# Allegro board RK3588S_Template_LP4XD200P232SD10H2_30X30_2133MHz_H1R6_V11_20220218YWQ.brd
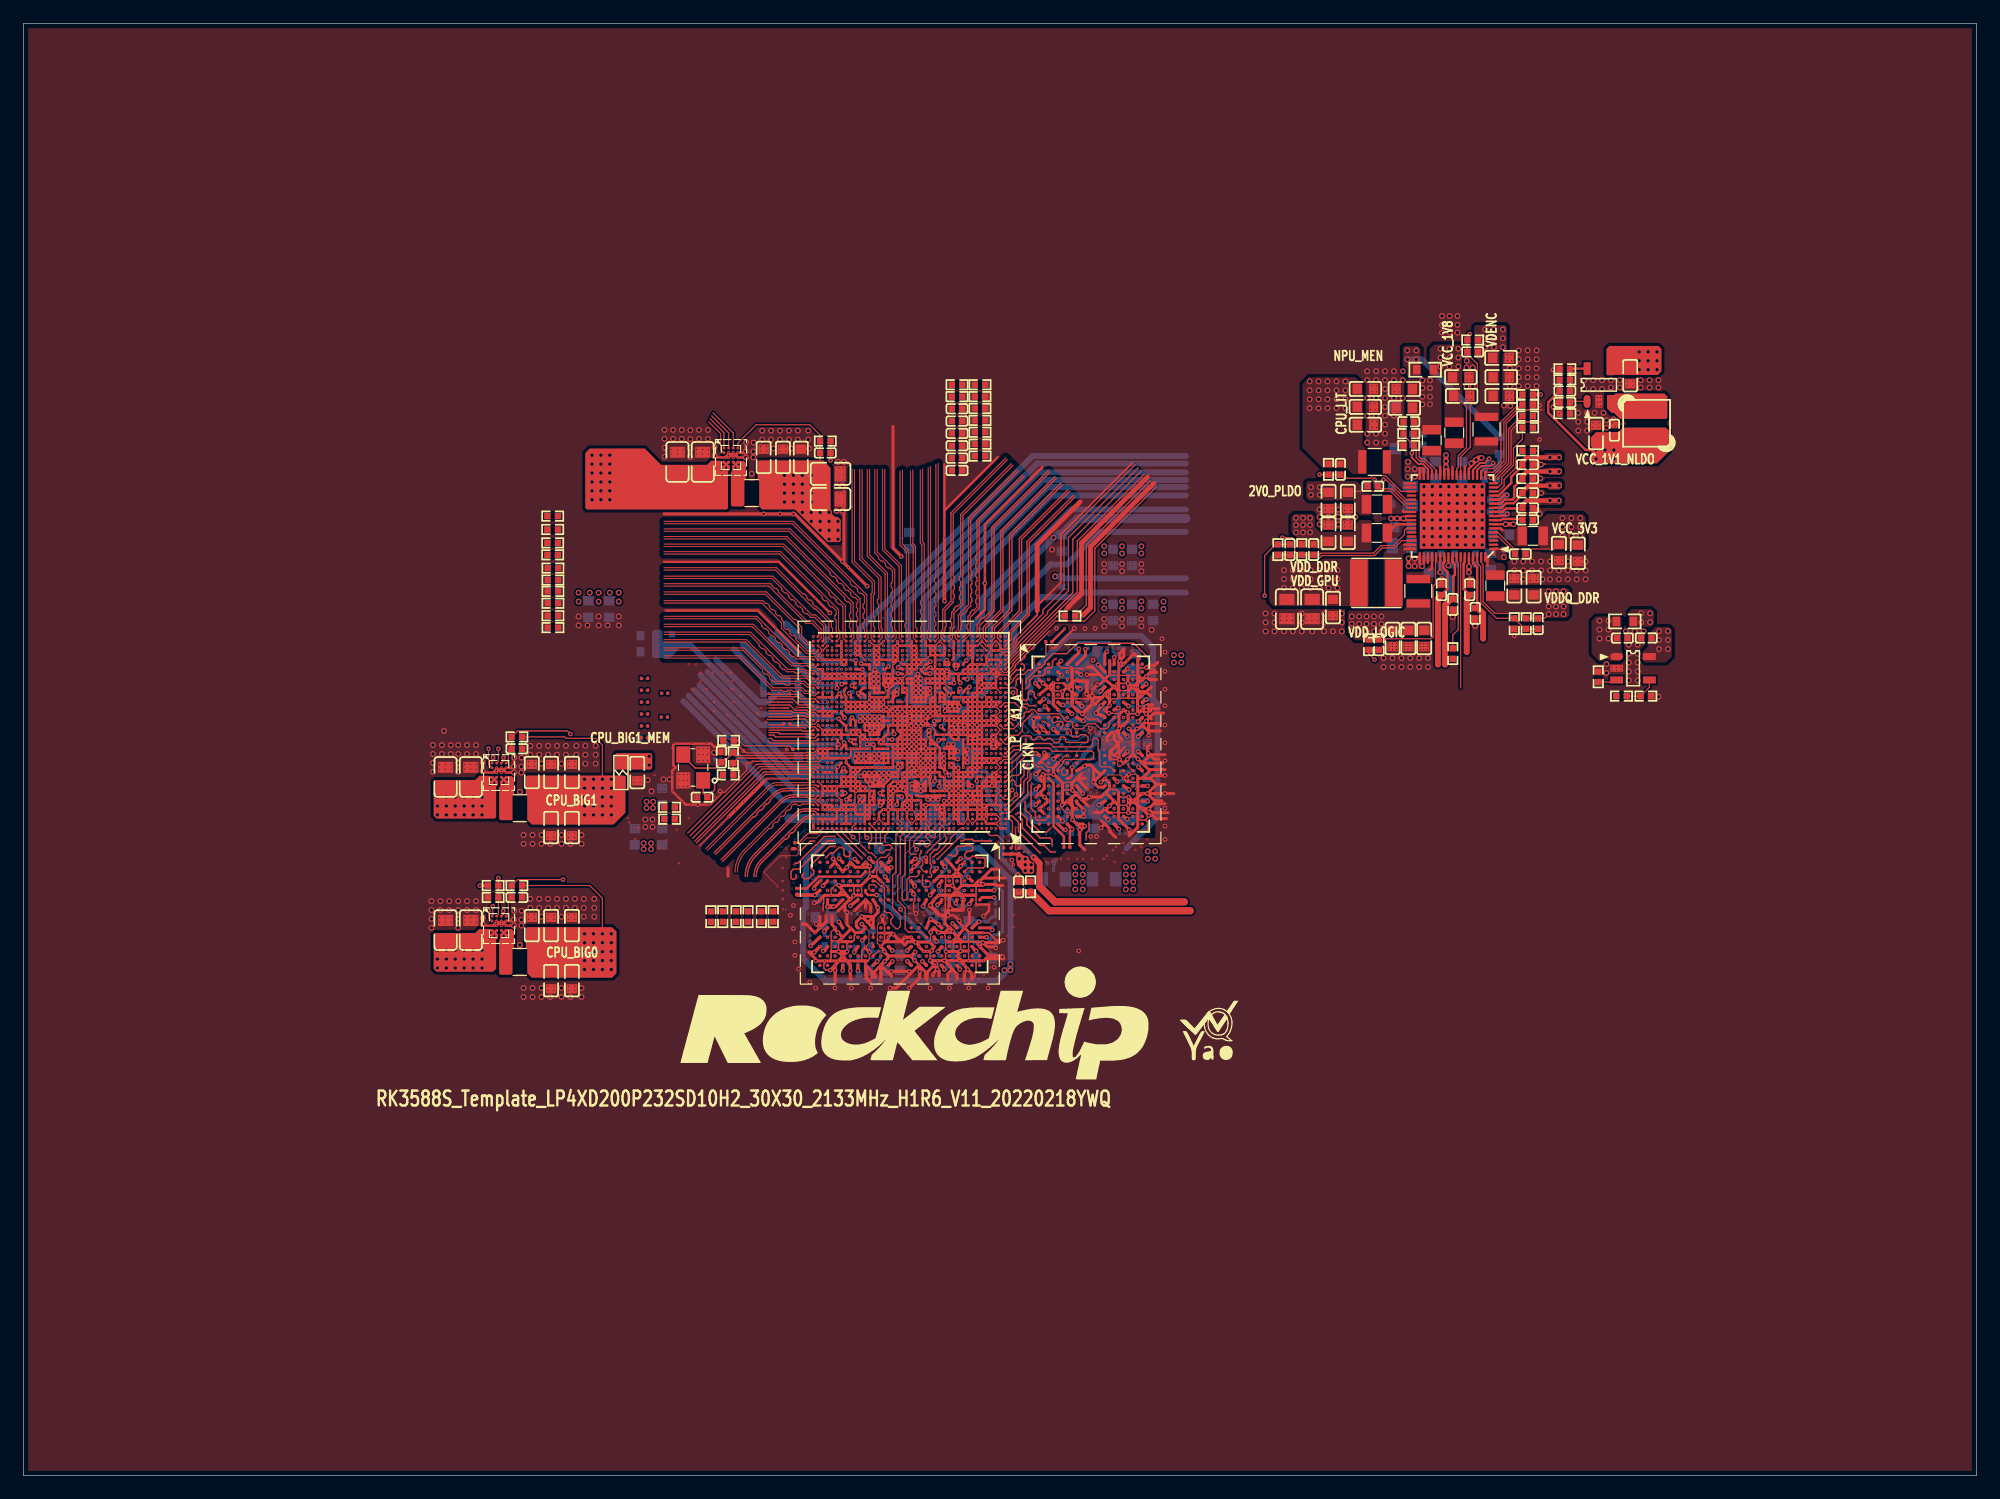
[diagram p0: board, top side]
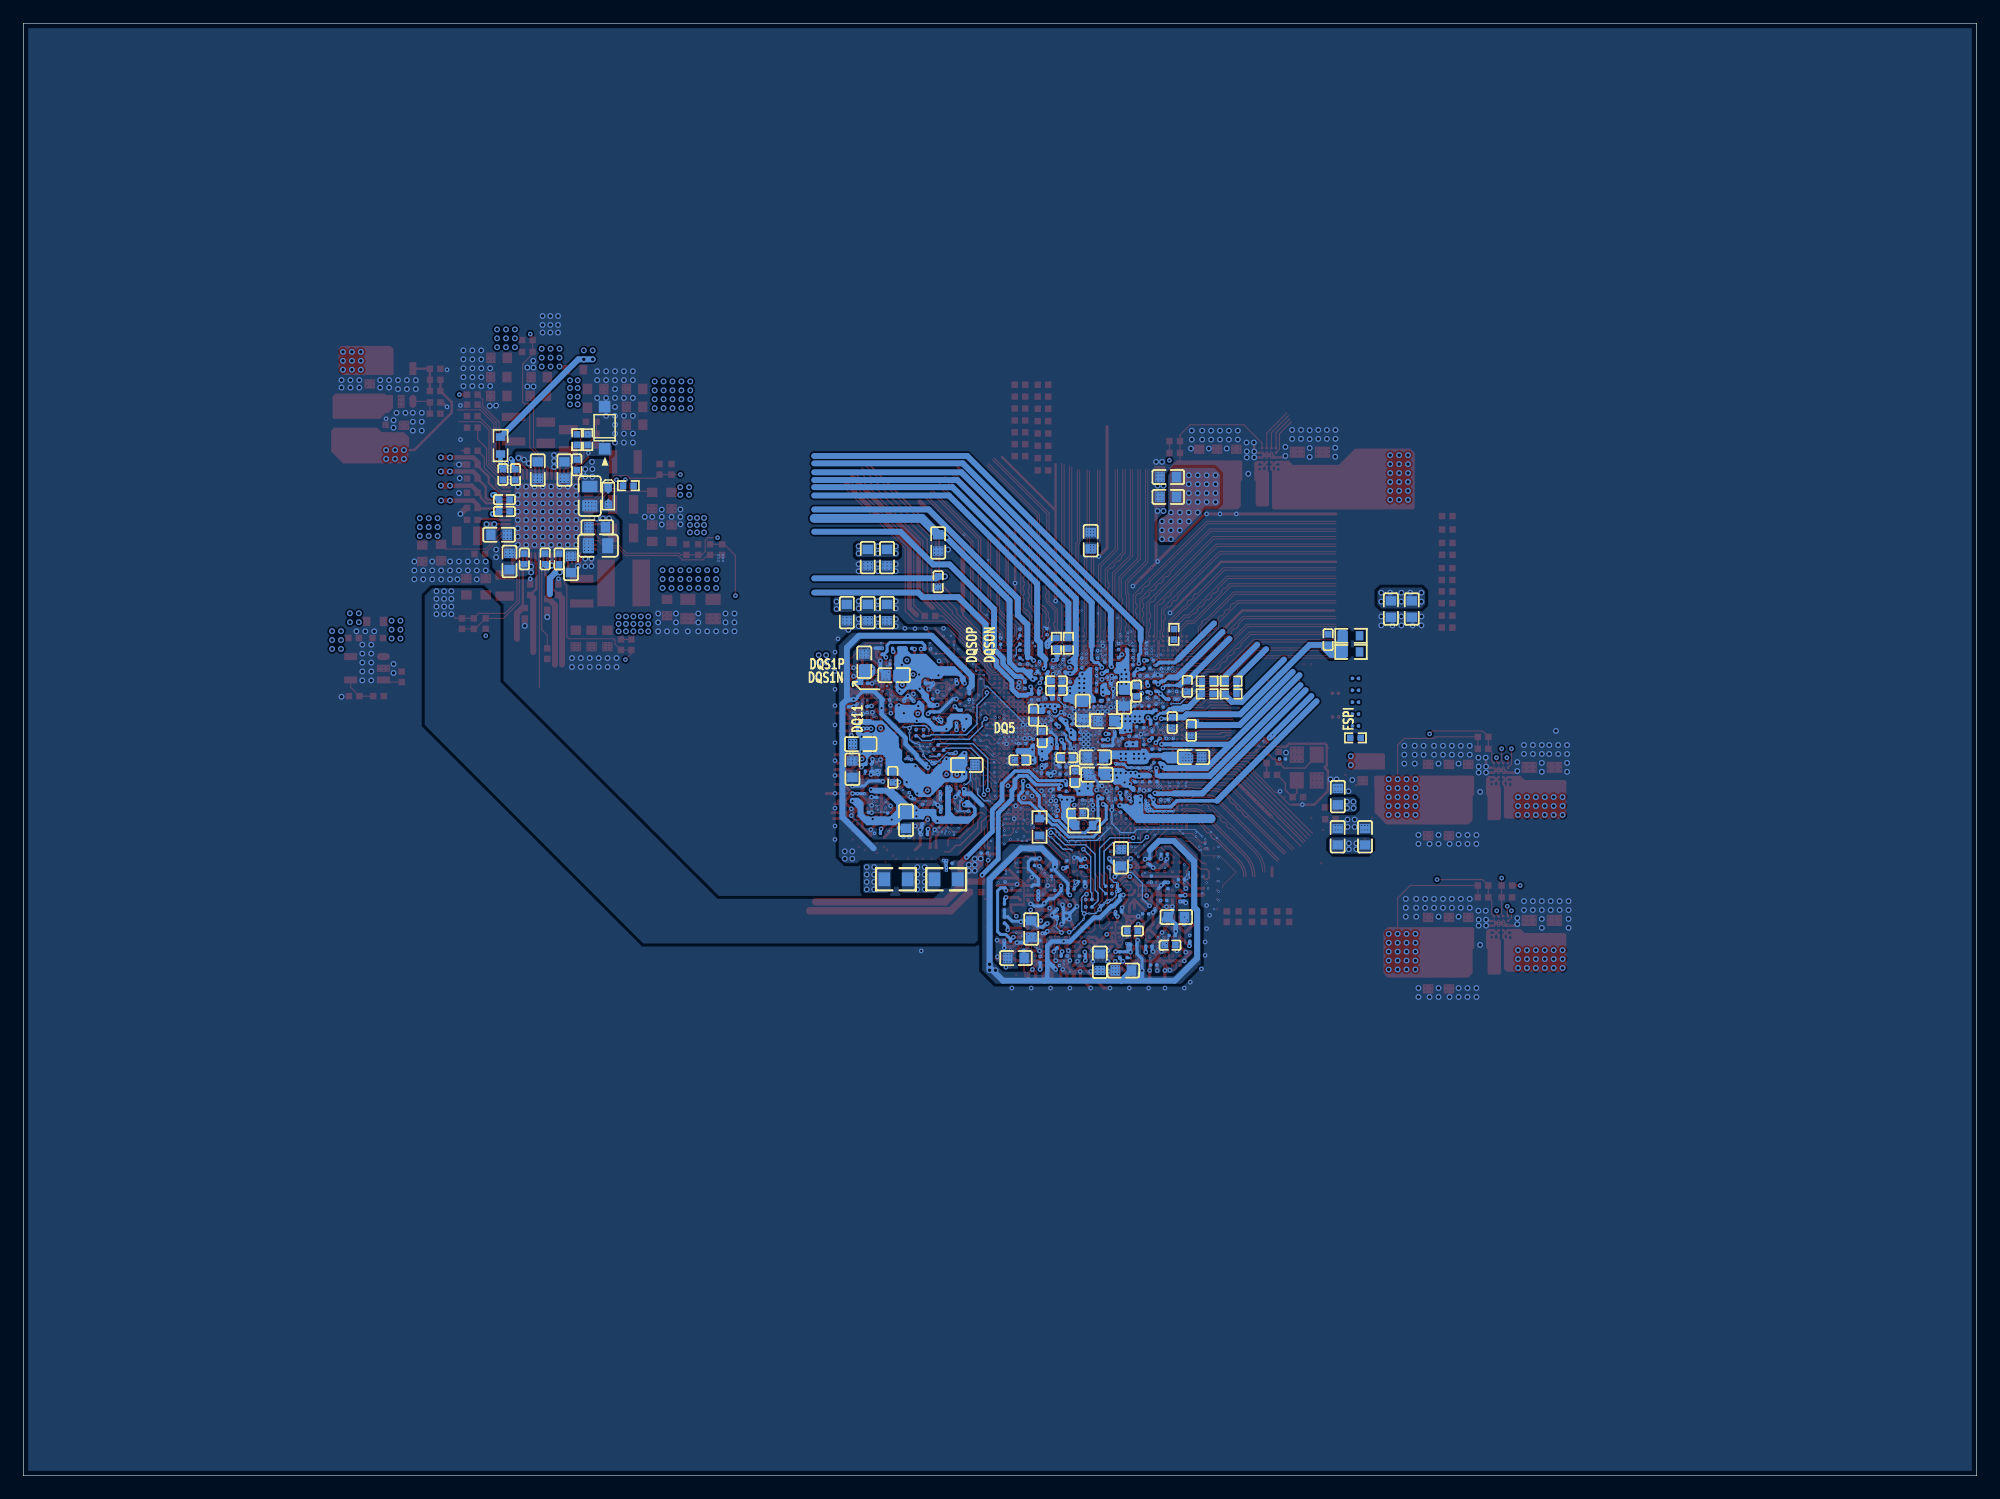
[diagram p1: board, bottom side, seen from below]

Outline 166.88 x 124.08 mm; copper layers: TOP, L2-GND1, L3-S1, L4-POWER1, L5-POWER2, L6-S2, L7-GND2, L8-S3, L9-GND3, BOTTOM. Coordinates in mm from the lower left corner of the outline.
Outline path: 0,124.08 0,0 166.88,0 166.88,124.08 0,124.08

## Design rules (mm)
net group DDR_CH0_LP4/4X_CKE0/LP5_CS0_A: nets DDR_CH0_LP4/4X_CKE0/LP5_CS0_A N29584131
net group DDR_CH0_LP4/4X_CKE0/LP5_CS0_B: nets DDR_CH0_LP4/4X_CKE0/LP5_CS0_B N63380618
net group DDR_CH0_LP4/4X_CKE1/LP5_CS1_A: nets DDR_CH0_LP4/4X_CKE1/LP5_CS1_A N29584146
net group DDR_CH0_LP4/4X_CKE1/LP5_CS1_B: nets DDR_CH0_LP4/4X_CKE1/LP5_CS1_B N63380616
net group DDR_CH1_LP4/4X_CKE0/LP5_CS0_C: nets DDR_CH1_LP4/4X_CKE0/LP5_CS0_C N29609736
net group DDR_CH1_LP4/4X_CKE0/LP5_CS0_D: nets DDR_CH1_LP4/4X_CKE0/LP5_CS0_D N29482643
net group DDR_CH1_LP4/4X_CKE1/LP5_CS1_C: nets DDR_CH1_LP4/4X_CKE1/LP5_CS1_C N29609761
net group DDR_CH1_LP4/4X_CKE1/LP5_CS1_D: nets DDR_CH1_LP4/4X_CKE1/LP5_CS1_D N29482645
net group DP_RX0_D0: nets MIPI_CSI0_RX_D0N MIPI_CSI0_RX_D0P
net group DPHY0_RX_CLK: nets MIPI_CPHY0_RX_TRIO1_B MIPI_CPHY0_RX_TRIO1_C
net group DPHY0_RX_D0: nets MIPI_CPHY0_RX_TRIO0_A MIPI_CPHY0_RX_TRIO0_B
net group DPHY0_RX_D1: nets MIPI_CPHY0_RX_TRIO0_C MIPI_CPHY0_RX_TRIO1_A
net group DPHY0_RX_D2: nets MIPI_CPHY0_RX_TRIO2_A MIPI_CPHY0_RX_TRIO2_B
net group DPHY0_RX_D3: nets MIPI_CPHY0_RX_TRIO2_C MIPI_DPHY0_RX_D3P
net group DPHY0_TX_CLK: nets MIPI_CPHY0_TX_TRIO1_B MIPI_CPHY0_TX_TRIO1_C
net group DPHY0_TX_D0: nets MIPI_CPHY0_TX_TRIO0_A MIPI_CPHY0_TX_TRIO0_B
net group DPHY0_TX_D1: nets MIPI_CPHY0_TX_TRIO0_C MIPI_CPHY0_TX_TRIO1_A
net group DPHY0_TX_D2: nets MIPI_CPHY0_TX_TRIO2_A MIPI_CPHY0_TX_TRIO2_B
net group DPHY0_TX_D3: nets MIPI_CPHY0_TX_TRIO2_C MIPI_DPHY0_TX_D3P
net group DPHY1_RX_CLK: nets MIPI_CPHY1_RX_TRIO1_B MIPI_CPHY1_RX_TRIO1_C
net group DPHY1_RX_D0: nets MIPI_CPHY1_RX_TRIO0_A MIPI_CPHY1_RX_TRIO0_B
net group DPHY1_RX_D1: nets MIPI_CPHY1_RX_TRIO0_C MIPI_CPHY1_RX_TRIO1_A
net group DPHY1_RX_D2: nets MIPI_CPHY1_RX_TRIO2_A MIPI_CPHY1_RX_TRIO2_B
net group DPHY1_RX_D3: nets MIPI_CPHY1_RX_TRIO2_C MIPI_DPHY1_RX_D3P
net group DPHY1_TX_CLK: nets MIPI_DPHY1_TX_CLKN MIPI_DPHY1_TX_CLKP
net group DPHY1_TX_D0: nets MIPI_DPHY1_TX_D0N MIPI_DPHY1_TX_D0P
net group DPHY1_TX_D1: nets MIPI_DPHY1_TX_D1N MIPI_DPHY1_TX_D1P
net group DPHY1_TX_D2: nets MIPI_DPHY1_TX_D2N MIPI_DPHY1_TX_D2P
net group DPHY1_TX_D3: nets MIPI_DPHY1_TX_D3N MIPI_DPHY1_TX_D3P
net group EDP0_D1: nets EDP_TX0_D1N EDP_TX0_D1P
net group EDP0_D2: nets EDP_TX0_D2N EDP_TX0_D2P
net group EDP0_D3: nets EDP_TX0_D3N EDP_TX0_D3P
net group EDP_TX0_AUX: nets EDP_TX0_AUXN EDP_TX0_AUXP
net group EMMC_CLKOUT: nets EMMC_CLKOUT N31111592
net group EMMC_D4: nets EMMC_D4 N31111434
net group EMMC_D5: nets EMMC_D5 N31111436
net group I2C3_SCL_M1_SENSOR: nets I2C3_SCL_M1_SENSOR I2C3_SDA_M1_SENSOR
net group MIPI_CSI0_RX_CLK0: nets MIPI_CSI0_RX_CLK0N MIPI_CSI0_RX_CLK0P
net group MIPI_CSI0_RX_CLK1: nets MIPI_CSI0_RX_CLK1N MIPI_CSI0_RX_CLK1P
net group MIPI_CSI0_RX_D1: nets MIPI_CSI0_RX_D1N MIPI_CSI0_RX_D1P
net group MIPI_CSI0_RX_D2: nets MIPI_CSI0_RX_D2N MIPI_CSI0_RX_D2P
net group MIPI_CSI0_RX_D3: nets MIPI_CSI0_RX_D3N MIPI_CSI0_RX_D3P
net group PCIE20_1_REFCLK: nets PCIE20_0_REFCLKN PCIE20_0_REFCLKP
net group PCIE20_1_RX: nets PCIE20_0_RXN PCIE20_0_RXP
net group PCIE20_1_TX: nets PCIE20_0_TXN PCIE20_0_TXP
net group PCIE20_2_REFCLK: nets PCIE20_2_REFCLKN PCIE20_2_REFCLKP
net group PCIE20_2_RX: nets USB30_2_SSRXN USB30_2_SSRXP
net group PCIE20_2_TX: nets USB30_2_SSTXN USB30_2_SSTXP
net group PMIC_RESET_L: nets PMIC_RESET_L TSADC_SHUT
net group PMIC_SW8: nets PMIC_SW8 VCC_3V3_S3
net group TYPEC0_OTG: nets TYPEC0_OTG_DM TYPEC0_OTG_DP
net group TYPEC0_SSRX1: nets TYPEC0_SSRX1N TYPEC0_SSRX1P
net group TYPEC0_SSRX2: nets TYPEC0_SSRX2N TYPEC0_SSRX2P
net group TYPEC0_SSTX1: nets TYPEC0_SSTX1N TYPEC0_SSTX1P
net group TYPEC0_SSTX2: nets TYPEC0_SSTX2N TYPEC0_SSTX2P
net group USB20_HOST0_D: nets USB20_HOST0_DM USB20_HOST0_DP
net group USB20_HOST1_D: nets USB20_HOST1_DM USB20_HOST1_DP
net group DDR: nets DDR_CH0_A0_A DDR_CH0_A0_B DDR_CH0_A1_A DDR_CH0_A1_B DDR_CH0_A2_A DDR_CH0_A2_B DDR_CH0_A3_A DDR_CH0_A3_B DDR_CH0_A4_A DDR_CH0_A4_B DDR_CH0_A5_A DDR_CH0_A5_B DDR_CH0_DM0_A DDR_CH0_DM1_A DDR_CH0_DM1_B DDR_CH0_DQ0_A DDR_CH0_DQ1_A DDR_CH0_DQ2_A DDR_CH0_DQ3_A DDR_CH0_DQ4_A DDR_CH0_DQ5_A DDR_CH0_DQ6_A DDR_CH0_DQ7_A DDR_CH0_DQ8_A DDR_CH0_DQ8_B DDR_CH0_DQ9_A DDR_CH0_DQ9_B DDR_CH0_DQ10_A DDR_CH0_DQ10_B DDR_CH0_DQ11_A DDR_CH0_DQ11_B DDR_CH0_DQ12_A DDR_CH0_DQ12_B DDR_CH0_DQ13_A DDR_CH0_DQ13_B DDR_CH0_DQ14_A DDR_CH0_DQ14_B DDR_CH0_DQ15_A DDR_CH0_DQ15_B DDR_CH0_LP4/4X_CS0_A DDR_CH0_LP4/4X_CS0_B DDR_CH0_LP4/4X_CS1_A DDR_CH0_LP4/4X_CS1_B
net group EMMC_CMD: nets EMMC_CMD EMMC_CMD/FSPI_CLK FSPI_CLK
net group EMMC_D0: nets EMMC_D0 EMMC_D0/FSPI_D0 FSPI_D0
net group EMMC_D1: nets EMMC_D1 EMMC_D1/FSPI_D1 FSPI_D1
net group EMMC_D2: nets EMMC_D2 EMMC_D2/FSPI_D2 FSPI_D2
net group EMMC_D3: nets EMMC_D3 EMMC_D3/FSPI_D3 FSPI_D3
net group EMMC_D6: nets EMMC_D6 EMMC_D6/FSPI_CS0 FSPI_CS0
net group I2C0_SCL_M2: nets I2C0_SCL_M2
net group M_DDR_CH0_A_DQS&CLK: nets DDR_CH0_CLKN_A DDR_CH0_CLKP_A DDR_CH0_DQS0N_A DDR_CH0_DQS0P_A DDR_CH0_DQS1N_A DDR_CH0_DQS1P_A
net group M_DDR_CH0_B_DATA0: nets DDR_CH0_DM0_B DDR_CH0_DQ0_B DDR_CH0_DQ1_B DDR_CH0_DQ2_B DDR_CH0_DQ3_B DDR_CH0_DQ4_B DDR_CH0_DQ5_B DDR_CH0_DQ6_B DDR_CH0_DQ7_B DDR_CH0_DQS0N_B DDR_CH0_DQS0P_B
net group M_DDR_CH0_B_DQS&CLK: nets DDR_CH0_CLKN_B DDR_CH0_CLKP_B DDR_CH0_DQS1N_B DDR_CH0_DQS1P_B
net group M_DDR_CH1_C_ADD: nets DDR_CH1_A0_C DDR_CH1_A1_C DDR_CH1_A2_C DDR_CH1_A3_C DDR_CH1_A4_C DDR_CH1_A5_C DDR_CH1_LP4/4X_CS0_C DDR_CH1_LP4/4X_CS1_C
net group M_DDR_CH1_C_DATA0: nets DDR_CH1_DM0_C DDR_CH1_DQ0_C DDR_CH1_DQ1_C DDR_CH1_DQ2_C DDR_CH1_DQ3_C DDR_CH1_DQ4_C DDR_CH1_DQ5_C DDR_CH1_DQ6_C DDR_CH1_DQ7_C
net group M_DDR_CH1_C_DATA1: nets DDR_CH1_DM1_C DDR_CH1_DQ8_C DDR_CH1_DQ9_C DDR_CH1_DQ10_C DDR_CH1_DQ11_C DDR_CH1_DQ12_C DDR_CH1_DQ13_C DDR_CH1_DQ14_C DDR_CH1_DQ15_C
net group M_DDR_CH1_C_DQS&CLK: nets DDR_CH1_CLKN_C DDR_CH1_CLKP_C DDR_CH1_DQS0N_C DDR_CH1_DQS0P_C DDR_CH1_DQS1N_C DDR_CH1_DQS1P_C
net group M_DDR_CH1_D_ADD: nets DDR_CH1_A0_D DDR_CH1_A1_D DDR_CH1_A2_D DDR_CH1_A3_D DDR_CH1_A4_D DDR_CH1_A5_D DDR_CH1_LP4/4X_CS0_D DDR_CH1_LP4/4X_CS1_D
net group M_DDR_CH1_D_DATA0: nets DDR_CH1_DM0_D DDR_CH1_DQ0_D DDR_CH1_DQ1_D DDR_CH1_DQ2_D DDR_CH1_DQ3_D DDR_CH1_DQ4_D DDR_CH1_DQ5_D DDR_CH1_DQ6_D DDR_CH1_DQ7_D
net group M_DDR_CH1_D_DATA1: nets DDR_CH1_DM1_D DDR_CH1_DQ8_D DDR_CH1_DQ9_D DDR_CH1_DQ10_D DDR_CH1_DQ11_D DDR_CH1_DQ12_D DDR_CH1_DQ13_D DDR_CH1_DQ14_D DDR_CH1_DQ15_D
net group M_DDR_CH1_D_DQS&CLK: nets DDR_CH1_CLKN_D DDR_CH1_CLKP_D DDR_CH1_DQS0N_D DDR_CH1_DQS0P_D DDR_CH1_DQS1N_D DDR_CH1_DQS1P_D

## Placement (name value [footprint] x y rotation side)
C1000  1uF  [C0201]  75.45 68.94 180 bottom
C1001  100nF  [C0201]  75.47 67.05 180 bottom
C1002  1uF  [C0201]  70.64 59.54 270 bottom
C1003  100nF  [C0201]  71.88 59.54 270 bottom
C1004  1uF  [C0201]  78.16 66.37 0 bottom
C1005  100nF  [C0201]  77.29 65.84 270 bottom
C1006  22uF  [C0603]  76.38 65.38 270 bottom
C1007  100nF  [C0201]  75.41 65.94 270 bottom
C1008  22uF  [C0603]  75.16 59.89 0 bottom
C1009  100nF  [C0201]  71.27 59.54 270 bottom
C1010  1uF  [C0201]  71.77 58.65 180 bottom
C1011  100nF  [C0201]  72.62 58.67 270 bottom
C1012  22uF  [C0603]  75.29 61.37 0 bottom
C1013  1uF  [C0201]  70.99 60.72 270 bottom
C1014  100nF  [C0201]  72.22 60.75 270 bottom
C1015  100nF  [C0201]  71.61 60.72 270 bottom
C1017  10uF  [C0402]  71.78 67.03 90 bottom
C1019  10uF  [C0402]  80.57 64.98 270 bottom
C1020  1uF  [C0201]  74.78 65.96 270 bottom
C1021  1uF  [C0201]  73.3 57.81 0 bottom
C1022  100nF  [C0201]  79.53 65.23 180 bottom
C1023  100nF  [C0201]  70.43 63.3 90 bottom
C1024  100nF  [C0201]  78.16 65.74 180 bottom
C1025  1uF  [C0201]  71.78 62.92 90 bottom
C1026  100nF  [C0201]  59.3 61.23 180 bottom
C1027  22uF  [C0603]  74.37 64.47 0 bottom
C1028  1uF  [C0201]  71.93 65.49 90 bottom
C1029  100nF  [C0201]  71.17 64.16 270 bottom
C1030  10uF  [C0402]  77.72 61.34 180 bottom
C1031  1uF  [C0201]  79.63 60.02 0 bottom
C1032  1uF  [C0201]  78.05 59.94 180 bottom
C1033  100nF  [C0201]  78.05 60.55 180 bottom
C1034  100nF  [C0201]  72.03 63.98 180 bottom
C1035  1uF  [C0201]  73 63.27 270 bottom
C1036  1uF  [C0201]  76.86 62.92 180 bottom
C1037  100nF  [C0201]  76.86 63.53 180 bottom
C1038  22uF  [C0603]  72.85 66.45 270 bottom
C1039  1uF  [C0201]  72.34 69.27 180 bottom
C1040  100nF  [C0201]  73.3 69.62 90 bottom
C1041  1uF  [C0201]  73.54 68.47 270 bottom
C1042  1uF  [C0201]  74.17 66.57 270 bottom
C1043  100nF  [C0201]  74.22 67.59 180 bottom
C1050  22uF  [C0603]  94.74 78.44 270 bottom
C1051  22uF  [C0603]  93.09 78.44 270 bottom
C1052  22uF  [C0603]  52.26 54.58 90 bottom
C1053  22uF  [C0603]  54.59 54.58 90 bottom
C1054  22uF  [C0603]  69.06 85.32 0 bottom
C1055  22uF  [C0603]  69.06 83.62 0 bottom
C1056  22uF  [C0603]  54.58 58.01 90 bottom
C1057  22uF  [C0603]  66.9 61.39 180 bottom
C1058  22uF  [C0603]  94.74 73.74 270 bottom
C1059  22uF  [C0603]  93.09 73.74 270 bottom
C1060  22uF  [C0603]  50.04 74.04 270 bottom
C1061  22uF  [C0603]  48.26 74.04 270 bottom
C1063  1uF  [C0201]  77.55 64.21 180 bottom
C1070  1uF  [C0201]  77.16 67.81 0 bottom
C1071  1uF  [C0201]  75.45 68.33 180 bottom
C1072  100nF  [C0201]  75.45 67.7 180 bottom
C1073  100nF  [C0201]  73.44 59 270 bottom
C1074  1uF  [C0201]  73.51 60.56 90 bottom
C1075  1uF  [C0201]  72.88 60.51 90 bottom
C1076  100nF  [C0201]  72.4 62.92 90 bottom
C1077  100nF  [C0201]  70.44 61.8 90 bottom
C1078  1uF  [C0201]  71.15 62.18 90 bottom
C1079  1uF  [C0201]  69.78 61.78 90 bottom
C1080  100nF  [C0201]  78.11 64.87 135 bottom
C1081  100nF  [C0201]  70.11 65.64 90 bottom
C1082  100nF  [C0201]  71.33 65.49 90 bottom
C1083  1uF  [C0201]  70.72 65.49 90 bottom
C1084  100nF  [C0201]  72.34 70.52 180 bottom
C1085  100nF  [C0201]  72.34 69.88 180 bottom
C1087  22uF  [C0603]  75.69 79.88 90 bottom
C1090  22uF  [C0603]  96.52 73.74 270 bottom
C1100  100nF  [C0201]  70.03 59.54 270 bottom
C1101  100nF  [C0201]  70.03 60.91 0 bottom
C1103  100nF  [C0201]  74.68 62.62 270 bottom
C1104  100nF  [C0201]  73.88 63.37 180 bottom
C1105  100nF  [C0201]  70.11 66.76 270 bottom
C1106  100nF  [C0201]  68.63 62.73 90 bottom
C1107  100nF  [C0201]  69.49 62.99 180 bottom
C1110  100nF  [C0201]  65.48 62.05 180 top
C1111  18pF  [C0402]  57.99 57.96 180 top
C1112  18pF  [C0402]  59.64 61.39 90 top
C1113  1uF  [C0402]  67.44 67.44 270 bottom
C1114  1uF  [C0402]  67.1 63.68 270 bottom
C1125  1uF  [C0201]  68.76 66.34 180 bottom
C1200  10uF  [C0402]  81.74 61.14 0 bottom
C1202  100nF  [C0201]  81.23 62.28 90 bottom
C1203  100nF  [C0201]  81.86 62.28 90 bottom
C1204  100nF  [C0201]  80.59 62.66 90 bottom
C1205  10uF  [C0402]  76.81 56.59 180 bottom
C1206  100nF  [C0201]  78.33 56.34 0 bottom
C1207  100nF  [C0201]  78.33 57.23 0 bottom
C1208  100nF  [C0201]  78.64 58.04 0 bottom
C1209  1uF  [C0201]  77.7 62.13 180 bottom
C1210  1uF  [C0201]  77.77 58.72 270 bottom
C1211  1uF  [C0201]  81.38 58.32 180 bottom
C1212  1uF  [C0201]  74.09 57.2 180 bottom
C1213  1uF  [C0201]  74.42 57.86 180 bottom
C1214  1uF  [C0201]  78.64 58.65 0 bottom
C1215  1uF  [C0201]  78.85 64.39 45 bottom
C1216  1uF  [C0201]  79.93 58.12 180 bottom
C1217  10uF  [C0402]  77.04 59.74 90 bottom
C1218  100nF  [C0201]  79.45 61.01 270 bottom
C1219  1uF  [C0201]  76.38 57.99 270 bottom
C1220  100nF  [C0201]  75.31 58.93 180 bottom
C1221  1uF  [C0201]  79.12 63.25 90 bottom
C1222  100nF  [C0201]  75.62 57.99 270 bottom
C1223  10uF  [C0402]  79.83 63.14 90 bottom
C1224  100nF  [C0201]  78.82 62.13 180 bottom
C1250  100nF  [C0201]  84.84 52.2 180 top
C1251  100nF  [C0201]  84.78 53.19 180 bottom
C1252  100nF  [C0201]  85.09 53.36 90 top
C1253  100nF  [C0201]  87.79 52.32 0 bottom
C1300  1uF  [C0402]  68.73 64.34 270 bottom
C1301  100nF  [C0201]  80.74 66.54 270 bottom
C1302  100nF  [C0201]  80.13 66.54 270 bottom
C1400  100nF  [C0201]  76.71 69.85 180 bottom
C1401  100nF  [C0201]  76.71 69.01 180 bottom
C1402  1uF  [C0201]  78.13 68.66 0 bottom
C1403  100nF  [C0201]  75.36 69.85 180 bottom
C1404  1uF  [C0201]  75.36 70.49 180 bottom
C1405  100nF  [C0201]  81.08 69.62 270 bottom
C1406  100nF  [C0201]  78.3 69.74 180 bottom
C1407  100nF  [C0201]  79.81 69.55 0 bottom
C1500  1nF  [C0402]  79.77 90.1 0 top
C1501  1nF  [C0402]  79.77 89.05 0 top
C1502  1nF  [C0402]  79.77 85.89 0 top
C1503  1nF  [C0402]  79.77 86.94 0 top
C1504  1nF  [C0402]  79.77 87.99 0 top
C1505  1nF  [C0402]  79.77 91.16 0 top
C1506  100nF  [C0201]  74.27 68.48 270 bottom
C1507  100nF  [C0201]  81.31 67.51 270 bottom
C1508  100nF  [C0201]  72.07 57.8 315 bottom
C1600  1uF  [C0201]  70.26 68.09 90 bottom
C1601  100nF  [C0201]  69.65 68.09 90 bottom
C1602  100nF  [C0201]  68.99 67.26 270 bottom
C1603  1uF  [C0201]  68.35 67.26 270 bottom
C1604  1uF  [C0201]  70.61 69.65 180 bottom
C1605  1uF  [C0201]  71.73 68.35 180 bottom
C1607  100nF  [C0201]  69.65 69.22 270 bottom
C1608  100nF  [C0201]  69.01 69.22 270 bottom
C1609  100nF  [C0201]  71.18 70.27 180 bottom
C1610  100nF  [C0201]  71.18 71.16 180 bottom
C1611  100nF  [C0201]  70.89 68.99 180 bottom
C1612  1uF  [C0201]  73.3 70.84 90 bottom
C1613  1uF  [C0201]  74.22 69.52 0 bottom
C1710  100nF  [C0201]  79.14 68.87 135 bottom
C1711  4.7uF  [C0402]  78.61 67.89 180 bottom
C1712  100nF  [C0201]  80.14 68.12 180 bottom
C1713  100nF  [C0201]  79.27 66.37 0 bottom
C1714  4.7uF  [C0402]  78.61 67.08 180 bottom
C1716  4.7uF  [C0402]  88.72 76.38 270 bottom
C1718  10uF  [C0603]  88.72 79.69 270 bottom
C1725  1uF  [C0201]  80.52 68.73 180 bottom
C1800  100nF  [C0201]  69.09 58.01 270 bottom
C1801  1uF  [C0201]  69.7 58.01 270 bottom
C1802  100nF  [C0201]  70.66 58.32 90 bottom
C1803  1uF  [C0201]  70.59 57.4 0 bottom
C1902  100nF  [C0201]  72.95 56.87 315 bottom
C1903  100nF  [C0201]  71.11 56.79 180 bottom
C1904  100nF  [C0201]  69.49 65.4 90 bottom
C1905  100nF  [C0201]  70.31 64.24 180 bottom
C1906  100nF  [C0201]  70.87 66.7 270 bottom
C1907  100nF  [C0201]  70.87 68.09 90 bottom
C2200  22uF  [C0603]  117.86 81.03 0 bottom
C2201  22uF  [C0805]  117.78 79.45 0 bottom
C2202  22uF  [C0603]  113.16 80.52 90 top
C2203  22uF  [C0603]  111.51 80.52 90 top
C2205  47uF  [C0805]  110.11 74.04 270 top
C2209  1uF  [C0402]  108.2 79.12 270 top
C2210  47uF  [C0805]  107.95 74.04 270 top
C2213  22uF  [C0805]  118.49 83.69 270 bottom
C2214  22uF  [C0603]  117.98 92.84 180 top
C2215  22uF  [C0603]  117.98 91.24 180 top
C2216  100pF  [C0402]  118.36 90.04 180 top
C2217  22uF  [C0603]  114.66 92.85 0 top
C2218  22uF  [C0603]  114.66 89.79 0 top
C2221  1uF  [C0402]  112.52 85.98 270 top
C2225  10uF  [C0603]  125.35 78.11 90 bottom
C2226  22uF  [C0603]  120.09 77.85 90 bottom
C2227  22uF  [C0603]  127.38 75.95 90 top
C2228  22uF  [C0603]  129.03 75.95 90 top
C2229  100pF  [C0402]  129.41 72.79 270 top
C2230  1uF  [C0402]  115.82 70.99 270 top
C2231  22uF  [C0603]  119.68 71.53 270 top
C2232  22uF  [C0603]  118.33 71.53 270 top
C2235  10uF  [C0603]  126.24 80.39 180 bottom
C2236  22uF  [C0603]  122.94 85.92 270 bottom
C2237  22uF  [C0603]  126.26 92.25 0 top
C2238  22uF  [C0603]  132.8 78.81 270 top
C2239  22uF  [C0603]  131.19 78.87 270 top
C2240  22uF  [C0603]  126.26 93.86 0 top
C2241  22uF  [C0603]  120.65 85.92 270 bottom
C2242  22uF  [C0603]  122.81 93.85 0 top
C2243  22uF  [C0603]  122.89 92.25 0 top
C2244  22uF  [C0603]  113.16 83.31 270 top
C2245  22uF  [C0603]  111.51 83.31 270 top
C2246  1uF  [C0402]  122.12 74.44 270 top
C2247  1uF  [C0402]  122.3 78.32 90 bottom
C2248  1uF  [C0402]  125.91 85.53 270 bottom
C2249  1uF  [C0402]  121.16 75.69 90 top
C2250  1uF  [C0402]  121.11 78.32 90 bottom
C2251  1uF  [C0402]  123.57 75.69 90 top
C2252  1uF  [C0402]  124.08 78.32 90 bottom
C2253  1uF  [C0402]  124.04 73.68 270 top
C2254  1uF  [C0402]  124.84 85.53 270 bottom
C2255  2.2uF  [C0402]  128.52 86.39 0 top
C2257  1uF  [C0402]  125.78 83.39 180 bottom
C2258  2.2uF  [C0402]  128.52 85.19 0 top
C2259  2.2uF  [C0402]  128.52 83.97 0 top
C2260  1nF  [C0402]  119.6 86.36 270 bottom
C2261  100nF  [C0402]  127.89 78.74 0 top
C2262  100nF  [C0402]  115.29 84.53 180 top
C2263  2.2uF  [C0402]  128.52 82.68 0 top
C2264  1uF  [C0402]  125.78 82.37 180 bottom
C2265  2.2uF  [C0402]  128.52 81.66 0 top
C2280  22uF  [C0603]  111.89 74.17 270 top
C2281  22uF  [C0603]  114.66 91.31 0 top
C2282  22uF  [C0603]  116.98 71.53 270 top
C2283  22uF  [C0603]  126.24 95.5 0 top
C2290  1uF  [C0402]  85.03 50.31 270 top
C2291  1uF  [C0402]  123.82 96.01 180 top
C2300  22uF  [C0805]  36.07 46.61 90 top
C2301  22uF  [C0805]  38.23 46.61 90 top
C2302  22uF  [C0805]  38.23 59.69 90 top
C2303  22uF  [C0805]  36.07 59.69 90 top
C2304  22uF  [C0603]  46.86 46.99 90 top
C2305  22uF  [C0603]  43.43 46.99 90 top
C2306  1uF  [C0402]  42.16 49.4 180 top
C2307  22uF  [C0603]  45.08 46.99 90 top
C2308  22uF  [C0603]  45.08 42.29 270 top
C2309  22uF  [C0603]  46.86 42.29 270 top
C2310  1uF  [C0402]  42.16 62.1 180 top
C2311  22uF  [C0603]  46.86 60.07 90 top
C2312  22uF  [C0603]  45.08 55.37 270 top
C2313  22uF  [C0603]  43.43 60.07 90 top
C2314  22uF  [C0603]  45.08 60.07 90 top
C2315  22uF  [C0603]  46.86 55.37 270 top
C2316  22uF  [C0603]  52.45 60.07 270 top
C2317  22uF  [C0805]  58.04 86.61 90 top
C2318  22uF  [C0805]  55.88 86.61 90 top
C2319  1uF  [C0402]  68.51 87.38 180 top
C2320  47uF  [C0805]  68.96 83.44 0 top
C2321  47uF  [C0805]  68.96 85.6 0 top
C2322  22uF  [C0603]  64.9 87 90 top
C2323  22uF  [C0603]  63.25 87 90 top
C2324  22uF  [C0603]  66.42 87 90 top
C2325  10uF  [C0603]  137.29 93.98 270 top
C2326  100pF  [C0402]  131.7 92.67 0 top
C2327  22uF  [C0603]  134.36 89.04 90 top
C2328  100nF  [C0402]  135.93 89.33 90 top
C2329  100nF  [C0402]  131.7 91.69 180 top
C2330  1uF  [C0402]  138.66 71.57 180 top
C2331  1uF  [C0402]  136.61 71.56 0 top
C3807  22uF  [C0603]  91.47 56 270 bottom
C3808  10uF  [C0603]  92.49 68.39 0 bottom
C3809  10uF  [C0603]  95.03 69.5 90 bottom
C3810  1uF  [C0201]  88.25 58.13 0 bottom
C3811  1uF  [C0201]  86.92 67.99 0 bottom
C3812  100nF  [C0201]  94.67 56.4 90 bottom
C3813  100nF  [C0201]  88.78 56.71 180 bottom
C3814  100nF  [C0201]  90.05 55.95 270 bottom
C3815  100nF  [C0201]  95.63 58.02 90 bottom
C3816  100nF  [C0201]  89.13 67.97 270 bottom
C3817  100nF  [C0201]  95.03 67.7 180 bottom
C3818  100nF  [C0201]  92.59 69.33 0 bottom
C3819  100nF  [C0201]  93.05 56.35 90 bottom
C3820  100nF  [C0201]  89.19 66.11 90 bottom
C3821  100nF  [C0201]  94.8 65.45 270 bottom
C3822  100nF  [C0201]  86.11 57.03 270 bottom
C3823  100nF  [C0201]  93.96 58.21 270 bottom
C3824  100nF  [C0201]  90.07 67.67 180 bottom
C3825  100nF  [C0201]  90.05 57.06 90 bottom
C3826  10uF  [C0603]  95.33 62.5 0 bottom
C3827  10uF  [C0603]  86.28 60.72 180 bottom
C3828  1uF  [C0402]  92.59 59.67 270 bottom
C3829  1uF  [C0201]  93.5 70.42 90 bottom
C3830  100nF  [C0201]  86.9 64.28 0 bottom
C3831  100nF  [C0201]  91.19 58.61 270 bottom
C3832  100nF  [C0201]  91.01 60.92 90 bottom
C3833  100nF  [C0201]  94.81 64.09 270 bottom
C3834  100nF  [C0201]  93.91 54.88 0 bottom
C3835  100nF  [C0201]  89.62 70.63 180 bottom
C3836  100nF  [C0201]  88.45 64.1 90 bottom
C3837  100nF  [C0201]  89.9 54.78 0 bottom
C3838  100nF  [C0201]  91.62 65.9 90 bottom
C3839  100nF  [C0201]  94.69 60.8 180 bottom
C3840  100nF  [C0201]  90.81 65.9 90 bottom
C3841  10uF  [C0603]  96.05 60.36 90 bottom
C3842  100nF  [C0201]  93.14 66.28 180 bottom
C3843  100nF  [C0201]  89.06 64.99 270 bottom
C3844  100nF  [C0201]  96.39 65.95 270 bottom
C3845  100nF  [C0201]  86.74 58.26 0 bottom
C3846  100nF  [C0201]  89.47 60.83 180 bottom
C3847  100nF  [C0201]  93.83 59.63 90 bottom
C3848  100nF  [C0201]  86.06 66.56 270 bottom
C3849  22uF  [C0603]  68.38 47.72 180 bottom
C3850  10uF  [C0603]  80.77 46.7 270 bottom
C3851  10uF  [C0603]  82.07 44.22 0 bottom
C3852  1uF  [C0402]  68.91 45.32 0 bottom
C3853  1uF  [C0201]  70.51 50.97 270 bottom
C3854  100nF  [C0201]  69.09 50.41 90 bottom
C3855  100nF  [C0201]  69.41 53.09 180 bottom
C3856  100nF  [C0201]  67.95 50.92 180 bottom
C3857  100nF  [C0201]  68.73 46.15 0 bottom
C3858  100nF  [C0201]  70.31 43.63 0 bottom
C3859  100nF  [C0201]  69.44 49.14 0 bottom
C3860  100nF  [C0201]  70.71 45.23 180 bottom
C3861  100nF  [C0201]  78.49 50.01 0 bottom